# Altium PCB MB1297.PcbDoc (part 4 of 4)
Units mm, origin at the board's own origin, x right, y up, seen from the top; angles counter-clockwise.
Board outline 90.1 x 62.11 mm, 4 copper layers (Top Layer, GND, POWER+GND, Bottom Layer), stack 0.778 mm thick; 235 components, 175 nets, 1727 pads, 1 vias.
Unrouted connection lines stored in the file: 1.
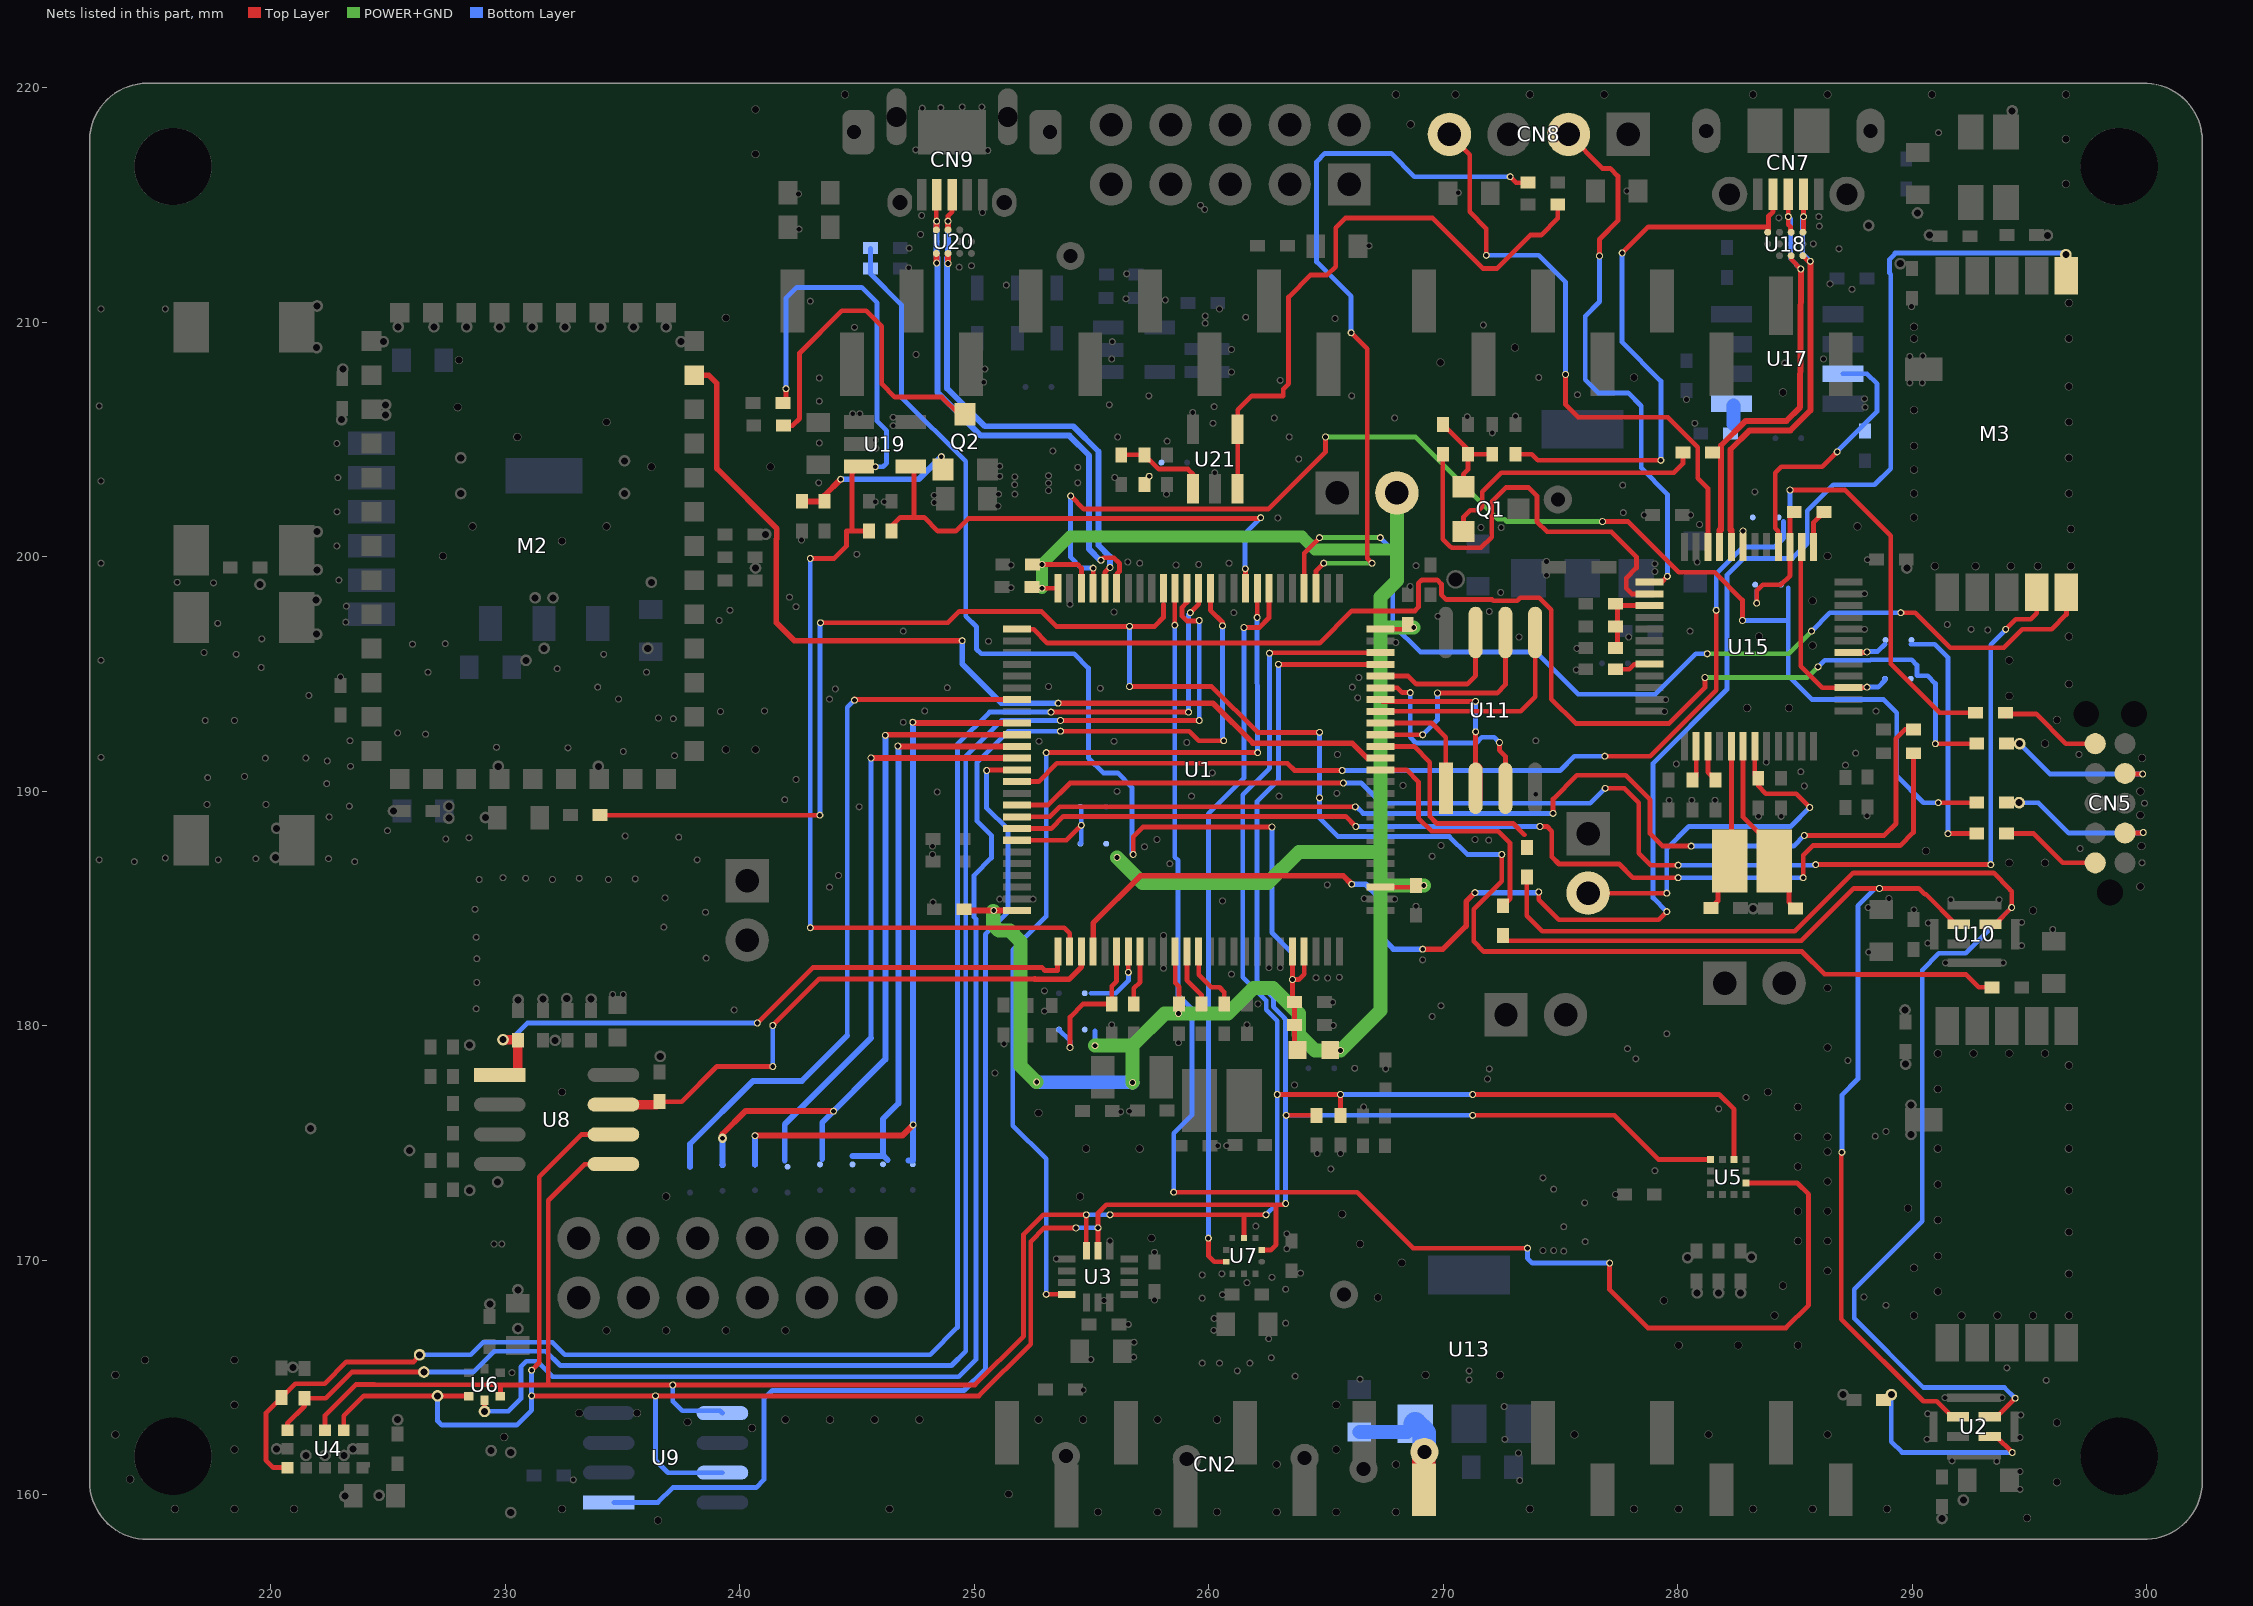
[diagram p6: the nets of this part, all layers, seen from the top]

## Via types
v1: diameter 0.4, hole 0.2, Top Layer to Bottom Layer, tented both sides, 1 vias

## Nets (pads, with @x,y where several pads share a name; then routed paths per layer and width w, separated by ;. In a path a pad name is that pad's centre, name@x,y a point inside that pad or via, vN(x,y) a via of type N, cw(c..) or ccw(c..) an arc to the next point about the centre after c; other vN are vias at no path point) (continued)
NetM2_34: M2.34 pad.33@249.479,196.418 pad.93@253.568,193.751 U1.39 | length 41.1
  Top Layer w0.24: M2.34@238.045,207.742 238.663,207.742 239.014,207.391 239.014,203.759 241.569,201.204 241.569,200.757 241.554,200.742 241.554,197.18 242.316,196.418 pad.33@249.479,196.418 ; pad.93@253.568,193.751 260.172,193.751 261.874,192.049 266.106,192.049 266.749,191.406 U1.39@267.313,191.406
  Bottom Layer w0.24: pad.33@249.479,196.418 249.479,195.422 251.15,193.751 pad.93@253.568,193.751
NetM3_1: M3.1 pad.46@279.527,184.861 pad.47@271.348,185.674 pad.49@274.066,185.699 pad.86@266.09,186.03 pad.91@269.113,183.261 pad.108@296.545,212.877 U1.4 | length 73.4
  Top Layer w0.204: pad.49@274.066,185.699 274.066,185.369 274.916,184.52 279.185,184.52 pad.46@279.527,184.861
  Top Layer w0.24: U1.4@255.063,183.156 255.063,184.374 257.073,186.385 265.735,186.385 pad.86@266.09,186.03 ; pad.91@269.113,183.261 269.977,183.261 270.967,184.252 270.967,185.293 pad.47@271.348,185.674
  Bottom Layer w0.204: pad.46@279.527,184.861 278.943,185.445 278.943,191.186 282.093,194.336 282.093,199.213 282.804,199.923 284.886,199.923 285.521,200.558 285.521,201.955 286.633,203.067 288.385,203.067 289.077,203.759 289.077,212.039 289.03,212.086 289.03,212.684 289.252,212.907 289.252,212.95 296.472,212.95 pad.108@296.545,212.877
  Bottom Layer w0.24: pad.86@266.09,186.03 266.689,186.03 267.185,185.534 267.185,183.944 267.868,183.261 pad.91@269.113,183.261 ; pad.47@271.348,185.674 274.041,185.674 pad.49@274.066,185.699
NetM3_10: M3.10 pad.23@293.98,196.901 pad.28@276.901,190.121 pad.29@280.01,186.842 pad.31@293.345,186.868 pad.32@285.877,186.868 pad.135@265.735,190.348 U1.91 | length 57.9
  Top Layer w0.204: U1.91@251.813,189.406 253.135,189.406 254.076,190.348 pad.135@265.735,190.348 ; pad.28@276.901,190.121 277.722,190.121 278.333,189.509 278.333,187.35 278.841,186.842 pad.29@280.01,186.842 ; pad.32@285.877,186.868 pad.31@293.345,186.868 ; pad.23@293.98,196.901 294.411,197.333 295.046,197.333 295.3,197.587 M3.10@295.3,198.488
  Bottom Layer w0.204: pad.135@265.735,190.348 266.497,190.348 267.36,189.484 276.265,189.484 pad.28@276.901,190.121 ; pad.29@280.01,186.842 pad.32@285.852,186.842 ; pad.31@293.345,186.868 293.345,196.24 293.98,196.875 pad.23@293.98,196.901
NetM3_11: M3.11 pad.50@264.719,200.812 pad.244 pad.245 pad.246 pad.247 U1.54 | length 42.5
  Top Layer w0.204: U1.54@264.063,198.656 264.063,200.156 pad.50@264.719,200.812 ; pad.245@289.509,197.612 290.119,197.612 291.617,196.113 293.903,196.113 294.691,196.901 295.935,196.901 296.57,197.536 M3.11@296.57,198.488
  POWER+GND w0.204: pad.50@264.719,200.812 pad.244@267.31,200.812 ; pad.247@281.254,195.859 284.734,195.859 pad.246@285.699,196.825
  Bottom Layer w0.204: pad.244@267.31,200.812 267.843,200.279 267.843,197.104 269.011,195.936 273.939,195.936 275.742,194.132 279.044,194.132 280.772,195.859 pad.247@281.254,195.859 ; pad.246@285.699,196.825 286.487,197.612 pad.245@289.509,197.612
NetQ1_1: Q1.1 R45.2 R46.2 R48.2 | length 4.2
  Top Layer w0.204: R45.2@269.977,205.638 271.043,204.572 R46.2@271.043,204.368 ; Q1.1@270.852,202.982 270.852,203.517 271.043,203.708 R46.2@271.043,204.368 ; R48.2@272.085,204.368 R46.2@271.043,204.368
NetQ1_2: Q1.2 R50.1 | length 11.8
  Top Layer w0.204: Q1.2@270.852,201.082 270.852,201.688 271.145,201.981 271.501,201.981 271.653,202.133 271.653,202.768 272.466,203.581 279.832,203.581 280.213,203.962 R50.1@280.213,204.445
NetQ2_1: pad.145@244.297,203.302 pad.146@248.59,204.267 Q2.1 R57.2 R59.2 | length 6.9
  Top Layer w0.254: R59.2@242.646,202.362 R57.2@243.606,202.362 243.606,202.611 pad.145@244.297,203.302
  Bottom Layer w0.254: pad.145@244.297,203.302 247.625,203.302 pad.146@248.59,204.267
NetQ2_3: Q2.3 R55.1 | length 14.7
  Top Layer w0.204: R55.1@241.859,205.588 242.24,205.588 242.545,205.892 242.545,208.686 244.348,210.49 245.389,210.49 246.05,209.829 246.05,207.366 246.609,206.807 248.615,206.807 249.352,206.07 Q2.3@249.606,206.07
NetR1_2: pad.32@229.895,179.4 pad.58@240.741,180.111 R1.2 U1.1 U8.1 | length 28.7
  Top Layer w0.204: pad.58@240.741,180.111 243.103,182.474 252.882,182.474 253.009,182.347 253.543,182.347 253.543,183.137 U1.1@253.563,183.156
  Top Layer w0.4: U8.1@229.756,177.902 230.556,177.902 230.53,177.927 R1.2@230.53,179.375 230.505,179.4 pad.32@229.895,179.4
  Bottom Layer w0.204: 230.226,179.4 230.937,180.111 pad.58@240.741,180.111
  Bottom Layer w0.24: pad.32@229.895,179.4 230.226,179.4
NetR4_2: pad.59@241.402,180.01 pad.60@241.402,178.257 R4.2 U1.3 U8.7 | length 24.1
  Top Layer w0.204: R4.2@236.576,176.759 237.515,176.759 239.014,178.257 pad.60@241.402,178.257 ; pad.59@241.402,180.01 243.383,181.991 252.576,181.991
  Top Layer w0.24: 252.576,181.991 252.594,181.974 254.033,181.974 254.563,182.503 U1.3@254.563,183.156
  Top Layer w0.4: U8.7@234.606,176.632 236.449,176.632 R4.2@236.576,176.759
  Bottom Layer w0.204: pad.60@241.402,178.257 pad.59@241.402,180.01
NetR5_1: R5.1 U1.12 | length 2.5
  Top Layer w0.204: U1.12@259.063,183.156 259.063,181.932 259.69,181.305 R5.1@259.69,180.924
NetR6_1: pad.165 pad.166 R6.1 U2.3 U10.3 | length 56.5
  Top Layer w0.2: R6.1@273.558,186.334 273.558,184.683 274.218,184.023 284.988,184.023 287.477,186.512 293.472,186.512 294.157,185.826 294.157,185.801 294.234,185.725 pad.166@294.234,185.039 293.526,184.331 U10.3@293.334,184.331 ; U2.3@293.3,163.327 293.604,163.327 pad.165@294.386,164.109
  Bottom Layer w0.2: pad.166@294.234,185.039 292.278,183.083 291.135,183.083 290.424,182.372 290.424,171.653 287.528,168.758 287.528,167.513 290.474,164.567 293.929,164.567 pad.165@294.386,164.109
NetR6_2: R6.2 U1.40 | length 9.1
  Top Layer w0.204: U1.40@267.313,191.906 268.748,191.906 269.418,191.237 269.418,188.925 269.723,188.62 272.974,188.62 273.456,188.138
NetR7_1: R7.1 U1.13 | length 2.9
  Top Layer w0.204: U1.13@259.563,183.156 259.563,182.169 260.096,181.635 260.452,181.635 260.655,181.432 R7.1@260.655,180.924
NetR10_2: pad.3@236.398,164.211 pad.9@262.966,195.406 pad.11@263.271,172.415 pad.14@227.101,164.211 pad.15@231.115,164.211 pad.16@231.115,165.303 pad.17@255.27,171.378 pad.18@254.33,171.374 pad.20@263.296,176.174 pad.151 R10.2 U1.47 U3.13 U4.10 U5.1 U6.2 U7.2 U8.6 U9.7 | length 121.5
  Top Layer w0.204: U4.10@223.101,162.75 223.101,163.36 223.952,164.211 pad.14@227.101,164.211 228.416,164.211 U6.2@228.433,164.194 ; pad.15@231.115,164.211 pad.3@236.398,164.211 250.19,164.211 252.401,166.422 252.401,170.791 252.984,171.374 pad.18@254.33,171.374 ; pad.16@231.115,165.303 231.445,165.633 231.445,173.558 233.248,175.362 U8.6@234.606,175.362 ; U3.13@255.27,170.391 pad.17@255.27,171.378 255.27,172.009 255.626,172.364 262.763,172.364 ; U7.2@262.256,170.43 262.632,170.43 262.865,170.663 262.865,172.364 pad.11@263.22,172.364 ; pad.9@262.966,195.406 U1.47@267.313,195.406 ; pad.20@263.296,176.174 R10.2@264.592,176.174 ; pad.151@271.247,176.174 277.292,176.174 279.171,174.295 U5.1@281.397,174.295
  Bottom Layer w0.204: pad.14@227.101,164.211 227.101,163.144 227.279,162.966 230.48,162.966 231.115,163.601 pad.15@231.115,164.211 pad.16@231.115,165.303 ; pad.3@236.398,164.211 236.398,161.468 236.931,160.934 U9.7@239.255,160.934 ; pad.18@254.334,171.378 pad.17@255.27,171.378 ; pad.9@262.966,195.406 262.966,190.475 262.052,189.56 262.052,181.896 262.75,181.198 262.75,180.808 263.22,180.338 263.22,180.309 263.268,180.261 pad.11@263.268,172.418 ; pad.20@263.395,176.174 pad.151@271.247,176.174
NetR11_2: pad.2@237.134,164.677 pad.8@262.585,195.885 pad.12@262.433,171.933 pad.13@255.778,171.933 pad.14@254.77,171.933 pad.19@262.914,177.063 pad.152@271.247,177.063 pad.153@265.608,177.063 R11.2 U1.48 U3.14 U4.9 U5.11 U6.4 U7.4 U8.5 U9.5 | length 117
  Top Layer w0.204: U4.9@222.301,162.75 222.301,163.373 223.622,164.694 224.409,164.694 224.415,164.688 229.794,164.688 229.783,164.677 ; U6.4@229.783,164.194 229.783,164.677 ; U8.5@234.606,174.092 233.375,174.092 231.826,172.542 231.826,164.677 ; U3.14@254.77,170.391 pad.14@254.77,171.933 252.933,171.933 252.095,171.094 252.095,166.751 250.021,164.677 pad.2@237.134,164.677 231.826,164.677 ; pad.13@255.778,171.933 261.493,171.933 ; U7.4@261.493,170.943 261.493,171.933 ; pad.12@262.433,171.933 261.493,171.933 ; pad.8@262.585,195.885 262.607,195.906 U1.48@267.313,195.906 ; pad.19@262.914,177.063 pad.153@265.608,177.063 R11.2@265.608,176.174 ; pad.152@271.247,177.063 281.762,177.063 282.397,176.428 U5.11@282.397,174.295 ; 229.783,164.677 231.826,164.677
  Bottom Layer w0.204: pad.2@237.134,164.677 237.134,163.975 237.535,163.574 239.155,163.574 U9.5@239.255,163.474 ; pad.14@254.77,171.933 pad.13@255.778,171.933 ; pad.12@262.433,171.933 262.914,172.414 262.914,180.212 262.444,180.682 262.444,181.071 261.442,182.073 261.442,189.84 262.585,190.983 pad.8@262.585,195.885 ; pad.153@265.608,177.063 pad.152@271.247,177.063
NetR12_1: R12.1 U1.8 | length 2.3
  Top Layer w0.204: R12.1@256.794,180.924 256.794,181.585 257.063,181.853 U1.8@257.063,183.156
NetR13_1: pad.167 pad.168 R13.1 U2.4 U10.4 | length 46.9
  Top Layer w0.2: 290.271,185.852 290.525,185.598 290.582,185.598 291.848,184.331 U10.4@291.984,184.331
  Top Layer w0.204: R13.1@272.542,183.845 272.771,183.617 285.267,183.617 287.503,185.852 pad.168@288.595,185.852 290.271,185.852 ; pad.167@286.995,174.6 286.969,174.574 286.969,167.488 290.474,163.982 291.041,163.982 291.696,163.327 U2.4@291.95,163.327
  Bottom Layer w0.204: pad.167@286.995,174.6 286.995,177.038 287.68,177.724 287.68,185.108 288.424,185.852 pad.168@288.595,185.852
NetR13_2: R13.2 U1.38 | length 10.5
  Top Layer w0.204: U1.38@267.313,190.906 268.427,190.906 268.935,190.398 268.935,188.849 269.494,188.29 272.339,188.29 272.845,187.784 272.845,185.418 R13.2@272.542,185.115
NetR14_2: pad.17@226.517,165.227 pad.25@259.588,197.282 pad.28@253.67,193.015 pad.29@259.588,193.015 R14.2 U1.64 U4.7 | length 73.5
  Top Layer w0.204: U4.7@220.701,162.75 220.701,163.043 221.437,163.779 R14.2@221.437,164.109 222.326,164.109 223.444,165.227 pad.17@226.517,165.227 ; pad.28@253.67,193.015 pad.29@259.588,193.015 ; U1.64@259.063,198.656 259.063,198.052 258.853,197.842 258.853,197.465 259.06,197.258 259.564,197.258 pad.25@259.588,197.282
  Bottom Layer w0.204: pad.17@226.517,165.227 228.625,165.227 229.514,166.116 231.724,166.116 232.334,165.506 249.022,165.506 249.633,166.118 249.633,191.492 251.155,193.015 pad.28@253.67,193.015 ; pad.29@259.588,193.015 pad.25@259.588,197.282
NetR15_2: pad.18@226.339,165.964 pad.26@259.207,197.612 pad.27@253.263,193.37 pad.30@259.131,193.37 R15.2 U1.63 U4.5 | length 75.3
  Top Layer w0.204: U4.5@220.701,161.15 220.104,161.15 219.786,161.468 219.786,163.474 R15.2@220.447,164.135 221.043,164.732 222.288,164.732 223.215,165.659 226.085,165.659 pad.18@226.339,165.964 ; pad.27@253.263,193.37 pad.30@259.131,193.37 ; pad.26@259.207,197.612 259.563,197.968 U1.63@259.563,198.656
  Bottom Layer w0.204: pad.18@226.339,165.964 228.511,165.964 229.044,166.497 232.004,166.497 232.537,165.964 248.107,165.964 249.276,167.132 249.276,191.999 250.647,193.37 pad.27@253.263,193.37 ; pad.30@259.131,193.37 259.131,197.536 pad.26@259.207,197.612
NetR16_1: pad.172 R16.1 SB1.2
NetR16_2: R16.2 R38.2 U21.1 | length 4
  Top Layer w0.204: R38.2@256.261,204.343 R16.2@257.251,204.343 257.861,203.733 259.105,203.733 259.321,203.517 U21.1@259.321,202.895
NetR18_1: R18.1 U21.3 U21.4 | length 26.1
  Top Layer w0.204: U21.3@261.226,202.895 U21.4@261.226,205.435 261.226,206.261 261.823,206.858 263.169,206.858 263.169,207.148 263.395,207.373 263.395,211.071 264.338,212.014 265.049,212.014 265.405,212.369 265.405,214.02 265.829,214.445 269.53,214.445 271.682,212.293 272.288,212.293 273.71,213.716 274.168,213.716 274.879,214.427 R18.1@274.879,215.011
NetR20_1: pad.51@264.897,199.72 pad.76@266.954,199.72 pad.77@272.847,216.205 pad.81@266.065,209.55 R20.1 U1.53 | length 31
  Top Layer w0.204: U1.53@264.563,198.656 264.563,199.386 pad.51@264.897,199.72 ; pad.81@266.065,209.55 266.751,208.864 266.751,199.923 pad.76@266.954,199.72 ; pad.77@272.847,216.205 273.101,215.951 R20.1@273.609,215.951
  POWER+GND w0.204: pad.51@264.897,199.72 pad.76@266.954,199.72
  Bottom Layer w0.204: pad.81@266.065,209.55 266.065,211.099 264.592,212.573 264.592,216.84 264.947,217.195 267.767,217.195 268.757,216.205 pad.77@272.847,216.205
NetR21_1: pad.53@272.491,187.3 pad.106@243.408,188.976 pad.107@243.434,197.18 pad.184 pad.186 pad.187 pad.193 R21.1 R22.1 U1.66 | length 84
  Top Layer w0.204: R21.1@234.036,188.976 pad.106@243.408,188.976 ; pad.107@243.434,197.18 248.868,197.18 249.352,197.664 252.857,197.664 253.493,197.028 pad.184@256.616,197.028 257.683,197.028 258.063,197.407 258.063,197.968 ; pad.193@256.616,194.462 260.121,194.462 262.077,192.507 pad.187@264.719,192.507 ; pad.53@272.491,187.3 272.491,186.157 271.297,184.963 271.297,183.591 271.729,183.159 285.293,183.159 286.258,182.194 287.604,182.194 287.619,182.179 292.293,182.179 292.837,181.635 R22.1@293.395,181.635
  Bottom Layer w0.204: pad.106@243.408,188.976 pad.107@243.408,197.155 ; pad.193@256.616,194.462 pad.184@256.616,197.028 ; pad.187@264.719,192.507 pad.186@264.719,189.713 264.719,188.849 265.506,188.062 270.256,188.062 271.018,187.3 pad.53@272.491,187.3
NetR29_1: R29.1 U15.44 | length 1.5
  Top Layer w0.204: R29.1@277.343,195.199 277.927,195.199 278.142,195.414 U15.44@278.782,195.414
NetR31_1: R31.1 U15.2 | length 1.3
  Top Layer w0.204: R31.1@280.782,190.663 U15.2@280.782,191.914
NetR32_2: pad.75@290.982,192.024 pad.239 pad.241 R32.2 SB6.1 U1.76 | length 52.7
  Top Layer w0.204: U1.76@251.813,196.906 252.521,196.906 253.111,196.317 264.718,196.317 266.09,197.688 268.783,197.688 268.936,197.841 268.936,198.857 269.088,199.009 269.739,199.009 269.917,198.831 269.917,198.384 270.13,198.171 272.085,198.171 272.134,198.122 273.153,198.122 273.279,198.247 274.091,198.247 274.599,197.739 274.599,193.929 275.641,192.888 279.629,192.888 281.153,194.412 pad.239@281.153,194.843 ; pad.75@290.982,192.024 R32.2@292.748,192.024
  POWER+GND w0.204: pad.239@281.153,194.843 285.521,194.843 pad.241@285.979,195.301
  Bottom Layer w0.204: pad.241@285.979,195.301 286.26,195.582 288.208,195.582 288.232,195.605 289.966,195.605 290.195,195.377 290.195,194.92 290.652,194.92 290.982,194.589 pad.75@290.982,192.024
NetR33_2: pad.74@291.109,189.509 pad.99@255.063,199.513 pad.212 pad.213 pad.215 pad.216 R33.2 SB5.1 U1.72 | length 56.5
  Top Layer w0.204: pad.212@254.102,202.59 254.66,202.032 254.659,202.03 262.533,202.03 264.973,204.47 pad.213@264.973,205.105 ; U1.72@255.063,198.656 pad.99@255.063,199.513 ; pad.215@276.784,201.498 277.876,201.498 280.035,199.339 281.563,199.339 282.753,198.15 pad.216@282.753,197.282 ; pad.74@291.109,189.509 R33.2@292.748,189.509
  POWER+GND w0.204: pad.213@264.973,205.105 268.808,205.105 272.315,201.598 272.612,201.598 272.712,201.498 pad.215@276.784,201.498 pad.215@276.809,201.524
  Bottom Layer w0.204: pad.212@254.102,202.59 254.102,199.974 254.563,199.513 pad.99@255.063,199.513 ; pad.216@282.753,197.282 284.709,197.282 ; 284.709,198.679 284.709,197.282 ; pad.74@291.109,189.509 290.474,189.509 289.331,190.652 289.331,193.345 288.773,193.904 285.725,193.904 284.709,194.92 284.709,197.282
NetR34_2: pad.72@291.516,188.189 R34.2 SB8.1 | length 10.6
  Top Layer w0.204: pad.72@291.516,188.189 R34.2@292.748,188.189
  Bottom Layer w0.204: 289.933,196.266 290.957,196.266 291.516,195.707 291.516,188.443 pad.72@291.516,188.189
NetR35_2: pad.14@284.782,202.842 pad.43@276.885,191.491 pad.45@281.635,197.714 pad.136@265.684,190.881 R35.2 SB7.1 U1.89 | length 57
  Top Layer w0.204: U1.89@251.813,190.406 252.738,190.406 253.517,191.186 263.347,191.186 263.652,190.881 pad.136@265.684,190.881 ; pad.43@276.885,191.491 278.816,191.491 281.635,194.31 pad.45@281.635,197.714 ; pad.14@284.785,202.844 287.122,202.844 289.077,200.889 289.077,195.428 291.16,193.345 R35.2@292.697,193.345
  Bottom Layer w0.204: pad.136@265.684,190.881 274.98,190.881 275.59,191.491 pad.43@276.885,191.491 ; pad.45@281.635,197.714 281.635,199.267 282.782,200.414 284.133,200.414 284.505,200.787 284.505,201.498 ; 284.782,201.724 pad.14@284.782,202.842 pad.14@284.785,202.844
NetR36_1: R36.1 U15.3 | length 1.6
  Top Layer w0.204: U15.3@281.282,191.914 281.282,190.802 R36.1@281.61,190.475
NetR42_2: pad.33@274.117,188.493 pad.36@280.01,186.309 pad.37@285.344,186.309 pad.134@266.268,188.493 R42.2 U1.93 | length 44.9
  Top Layer w0.204: U1.93@251.813,188.406 253.279,188.406 253.798,188.925 265.836,188.925 pad.134@266.268,188.493 ; pad.33@274.117,188.493 274.422,188.493 274.625,188.29 274.625,187.198 274.93,186.893 277.495,186.893 278.079,186.309 pad.36@280.01,186.309 ; pad.37@285.344,186.309 285.344,187.274 285.75,187.681 289.484,187.681 290.043,188.239 R42.2@290.043,191.618
  Bottom Layer w0.204: pad.134@266.268,188.493 pad.33@274.117,188.493 ; pad.36@280.01,186.309 pad.37@285.344,186.309
NetR43_2: pad.38@285.394,188.112 pad.39@280.568,187.655 pad.40@274.676,189.052 pad.133@266.243,189.332 R43.2 U1.92 | length 45.8
  Top Layer w0.204: U1.92@251.813,188.906 253.219,188.906 253.644,189.332 pad.133@266.243,189.332 ; pad.40@274.676,189.052 274.676,189.662 275.692,190.678 277.774,190.678 278.816,189.636 278.816,188.189 279.349,187.655 pad.39@280.568,187.655 ; pad.38@285.394,188.112 288.798,188.112 289.306,188.62 289.306,192.253 289.687,192.634 R43.2@290.043,192.634
  Bottom Layer w0.204: pad.133@266.243,189.332 266.294,189.332 266.573,189.052 pad.40@274.676,189.052 ; pad.39@280.568,187.655 284.937,187.655 pad.38@285.394,188.112
NetR53_2: R53.2 U17.5 | length 0.8
  Bottom Layer w0.6: 282.372,205.664 U17.5@282.372,206.438
NetR56_1: pad.57@243.002,184.175 pad.115@243.002,199.923 pad.121@245.77,203.835 pad.144@241.96,207.162 R56.1 R58.2 U1.2 U19.3 | length 51
  Top Layer w0.204: R56.1@241.833,206.553 241.96,206.68 pad.144@241.96,207.162 ; pad.57@243.002,184.175 253.82,184.175 254.063,183.933 U1.2@254.063,183.156 ; pad.115@243.002,199.923 244.018,199.923 244.541,200.447 244.541,201.092 R58.2@245.501,201.092 244.831,201.092 244.78,201.143 244.78,203.553 U19.3@245.077,203.85
  Bottom Layer w0.204: pad.144@241.96,207.162 241.96,211.023 242.418,211.48 245.186,211.48 245.847,210.82 245.847,205.773 246.253,205.366 246.253,203.987 246.101,203.835 pad.121@245.77,203.835 ; pad.57@243.002,184.175 pad.115@243.002,199.923
NetR62_2: pad.131@262.204,201.663 pad.132@261.553,199.482 R62.2 U1.59 U19.4 | length 22.1
  Top Layer w0.204: R62.2@246.461,201.092 246.461,201.3 246.837,201.676 247.371,201.676 ; U19.4@247.277,203.85 247.422,203.705 247.422,201.727 247.371,201.676 ; pad.132@261.544,199.492 261.563,199.473 U1.59@261.563,198.656 ; pad.131@262.204,201.676 262.153,201.625 249.741,201.625 249.208,201.092 248.437,201.092 247.853,201.676 247.371,201.676
  Bottom Layer w0.204: pad.132@261.544,199.492 261.544,200.99 262.204,201.651 pad.131@262.204,201.676
NetR67_2: pad.45@289.103,164.262 pad.94@294.259,161.798 R67.2 U2.2 | length 8.6
  Top Layer w0.204: U2.2@293.3,162.477 293.58,162.477 pad.94@294.259,161.798
  Bottom Layer w0.204: pad.45@289.103,164.262 289.103,162.255 289.56,161.798 pad.94@294.259,161.798
NetSB3_1: pad.48@256.565,182.27 SB3.1 U1.7 | length 3.1
  Top Layer w0.204: U1.7@256.563,183.156 256.563,182.273 pad.48@256.565,182.27
  Bottom Layer w0.204: 254.965,181.381 256.032,181.381 256.565,181.915 pad.48@256.565,182.27
NetSB9_2: pad.54@254.559,188.544 SB9.2 SB13.2 U1.94 | length 4.6
  Top Layer w0.204: U1.94@251.813,187.906 253.921,187.906 pad.54@254.559,188.544
  Bottom Layer w0.204: SB9.2@254.518,187.757 254.559,187.798 pad.54@254.559,188.544 254.559,189.29 SB13.2@254.518,189.332
NetSB12_2: pad.132@246.736,191.922 SB12.2 SB14.2 U1.86 | length 24.4
  Top Layer w0.254: pad.132@246.752,191.906 U1.86@251.813,191.906
  Bottom Layer w0.254: 244.802,174.432 246.141,174.432 246.304,174.269 ; 246.101,174.438 246.101,176.028 246.761,176.688 246.761,191.897 pad.132@246.736,191.922
NetSB15_2: pad.2@243.992,176.352 pad.131@246.202,192.38 SB15.2 SB16.2 U1.85 | length 31.2
  Top Layer w0.254: v1(239.257,175.198) 239.257,175.376 240.233,176.352 pad.2@243.992,176.352 ; pad.131@246.202,192.38 246.28,192.406 U1.85@251.813,192.406
  Bottom Layer w0.254: SB16.2@239.257,174.057 v1(239.257,175.198) ; 243.51,174.32 243.51,175.87 246.202,178.562 pad.131@246.202,192.38
NetSB18_2: pad.0@240.643,175.307 pad.1@247.384,175.768 pad.130@247.371,192.938 SB18.2 SB19.2 U1.84 | length 31.5
  Top Layer w0.254: pad.0@240.643,175.307 246.923,175.307 pad.1@247.384,175.768 ; pad.130@247.371,192.938 247.466,192.906 U1.84@251.813,192.906
  Bottom Layer w0.254: SB18.2@240.643,174.082 pad.0@240.643,175.307 ; 247.182,174.254 247.385,174.254 pad.1@247.384,175.768 pad.130@247.371,192.938
NetSB20_1: pad.133@245.593,191.414 SB20.1 U1.87 | length 24.9
  Top Layer w0.254: pad.133@245.593,191.414 245.661,191.406 U1.87@251.813,191.406
  Bottom Layer w0.204: 245.593,179.476 pad.133@245.593,191.414
  Bottom Layer w0.254: 241.91,174.244 241.91,175.793 245.593,179.476
NetSB21_1: pad.134@244.881,193.878 SB21.1 U1.82 | length 31
  Top Layer w0.204: pad.134@244.91,193.906 U1.82@251.813,193.906
  Top Layer w0.254: pad.134@244.881,193.878 pad.134@244.91,193.906
  Bottom Layer w0.204: 244.577,179.578 244.577,193.573 pad.134@244.881,193.878
  Bottom Layer w0.254: SB21.1@237.871,173.982 237.871,174.955 240.563,177.648 242.646,177.648 244.577,179.578
NetU1_41: pad.58@269.748,194.183 pad.59@269.113,192.405 U1.41 U11.6 | length 8.2
  Top Layer w0.204: U1.41@267.313,192.406 269.112,192.406 pad.59@269.113,192.405 ; pad.58@269.748,194.183 272.288,194.183 272.644,194.539 U11.6@272.644,195.871
  Bottom Layer w0.204: pad.59@269.113,192.405 269.748,193.04 pad.58@269.748,194.183
NetU1_42: U1.42 U11.1 | length 4.3
  Top Layer w0.204: U1.42@267.313,192.906 269.501,192.906 270.104,192.303 U11.1@270.104,191.021
NetU1_43: U1.43 U11.5 | length 8.7
  Top Layer w0.204: U1.43@267.313,193.406 273.289,193.406 273.914,194.031 U11.5@273.914,195.871
NetU1_44: pad.62@271.374,192.532 pad.63@271.372,193.829 U1.44 U11.2 | length 9.2
  Top Layer w0.204: U1.44@267.313,193.906 267.39,193.829 pad.63@271.372,193.829 ; U11.2@271.374,190.627 pad.62@271.374,192.532 ; U11.2@271.374,191.021 271.374,191.124 271.456,191.124 271.572,191.008 U11.2@271.572,189.459
  Bottom Layer w0.204: pad.63@271.372,193.829 271.372,192.534 pad.62@271.374,192.532
NetU1_45: pad.60@268.586,194.202 pad.61@272.39,192.075 U1.45 U11.3 | length 9.1
  Top Layer w0.204: U1.45@267.313,194.406 268.038,194.406 268.243,194.202 pad.60@268.586,194.202 ; pad.61@272.39,192.075 272.39,191.745 272.644,191.491 U11.3@272.644,190.449
  Bottom Layer w0.204: pad.60@268.586,194.202 268.586,192.297 268.832,192.051 271.393,192.051 271.639,192.297 272.168,192.297 pad.61@272.39,192.075
NetU1_46: U1.46 U11.7 | length 5.3
  Top Layer w0.204: U1.46@267.313,194.906 268.503,194.906 268.845,194.564 271.018,194.564 271.374,194.92 U11.7@271.374,195.871
NetU1_57: pad.39@259.977,170.934 pad.40@261.493,196.977 U1.57 U7.7 | length 30.8
  Top Layer w0.204: pad.39@259.977,170.934 259.977,170.18 260.227,169.93 U7.7@260.73,169.93 ; pad.40@261.493,196.977 262.153,196.977 262.563,197.386 U1.57@262.563,198.656
  Bottom Layer w0.204: pad.39@259.977,170.934 259.977,189.036 261.493,190.552 pad.40@261.493,196.977
NetU1_58: pad.23@253.06,168.541 pad.24@262.056,197.409 pad.31@262.077,191.643 pad.32@253.06,191.643 U1.58 U3.4 | length 41.1
  Top Layer w0.204: pad.23@253.06,168.541 U3.4@253.94,168.541 ; pad.32@253.06,191.643 pad.31@262.077,191.643 ; pad.24@262.056,197.409 262.063,197.674 U1.58@262.063,198.656
  Bottom Layer w0.204: pad.23@253.06,168.541 253.06,174.316 251.638,175.739 251.638,183.236 253.06,184.658 pad.32@253.06,191.643 ; pad.24@262.056,197.409 pad.31@262.077,191.694
NetU1_62: pad.15@229.108,163.551 pad.35@253.67,192.557 pad.36@260.579,197.053 pad.37@260.629,192.151 U1.62 U6.3 | length 67.7
  Top Layer w0.204: pad.15@229.108,163.551 U6.3@229.108,164.019 ; pad.35@253.67,192.557 259.156,192.557 259.563,192.151 pad.37@260.629,192.151 ; U1.62@260.063,198.656 260.063,197.722 260.579,197.206 pad.36@260.579,197.053
  Bottom Layer w0.204: pad.15@229.108,163.551 230.124,163.551 230.657,164.084 230.657,165.454 230.886,165.683 231.351,165.683 232.01,165.024 236.981,165.024 236.988,165.031 237.281,165.031 237.288,165.024 249.326,165.024 250.063,165.76 250.063,184.563 249.987,184.639 249.987,186.418 250.723,187.155 250.723,188.112 250.114,188.722 250.114,191.237 251.435,192.557 pad.35@253.67,192.557 ; pad.37@260.579,192.202 pad.36@260.579,197.053
NetU1_65: pad.155@258.547,197.079 pad.156@258.496,172.898 pad.157 pad.159 U1.65 U5.8 | length 64.8
  Top Layer w0.204: pad.156@258.496,172.898 266.319,172.898 268.707,170.51 pad.157@273.583,170.51 ; pad.155@258.547,197.079 258.547,198.641 U1.65@258.563,198.656 ; pad.159@277.089,169.875 277.089,168.732 278.714,167.107 284.607,167.107 285.572,168.072 285.572,172.803 285.08,173.295 U5.8@282.897,173.295
  Bottom Layer w0.204: pad.156@258.496,172.898 258.496,175.412 259.283,176.2 259.283,180.696 258.684,181.295 258.684,187.053 258.547,187.191 pad.155@258.547,197.079 ; pad.157@273.583,170.51 273.583,170.078 273.787,169.875 pad.159@277.089,169.875
NetU1_88: pad.156@250.52,190.881 U1.88 U9.1 | length 47.8
  Top Layer w0.204: pad.156@250.52,190.881 250.546,190.906 U1.88@251.813,190.906
  Bottom Layer w0.204: U9.1@234.62,159.664 236.499,159.664 237.134,160.299 240.69,160.299 241.021,160.63 241.021,164.084 241.376,164.44 249.555,164.44 250.469,165.354 250.469,183.898 251.433,184.861 251.433,188.368 250.52,189.281 pad.156@250.52,190.881
OSC_IN: C52.2 U15.5 X3.2 | length 7.3
  Top Layer w0.204: C52.2@281.407,185.014 281.711,185.318 281.711,186.522 X3.2@282.209,187.02 282.282,187.093 U15.5@282.282,191.914
OSC_OUT: C51.2 U15.6 X3.1 | length 7.9
  Top Layer w0.204: U15.6@282.782,191.914 282.782,188.896 284.109,187.569 X3.1@284.109,187.02 284.734,186.395 284.734,185.267 C51.2@285.013,184.988
PWR_ENN: pad.20@286.791,204.47 R51.1 U15.28 U17.3 | length 11.5
  Top Layer w0.204: U15.28@284.282,200.414 284.282,201.088 284.15,201.22 284.15,203.581 284.404,203.835 286.156,203.835 pad.20@286.791,204.47
  Bottom Layer w0.204: pad.20@286.779,204.483 288.493,206.197 288.493,207.366 288.061,207.797 U17.3@287.033,207.797
PWR_EXT: R27.1 R28.2 R30.2 U15.39 | length 3.2
  Top Layer w0.204: R27.1@277.343,196.113 277.421,196.192 277.421,197.914 U15.39@278.782,197.914
STM_JTCK: CN8.2 pad.70@276.657,212.827 pad.71@279.552,199.164 U15.37 | length 23.6
  Top Layer w0.204: CN8.2@275.336,218.008 276.784,216.56 277.114,216.56 277.444,216.23 277.444,214.325 276.657,213.538 pad.70@276.657,212.827 ; U15.37@278.782,198.914 279.302,198.914 pad.71@279.552,199.164
  Bottom Layer w0.204: pad.70@276.657,212.827 276.657,210.871 276.047,210.261 276.047,207.543 276.606,206.985 277.876,206.985 278.435,206.426 278.435,203.784 279.552,202.667 pad.71@279.552,199.164
STM_JTMS: CN8.4 pad.68@275.209,207.772 pad.69@271.831,212.852 U15.34 | length 25.7
  Top Layer w0.204: CN8.4@270.256,218.008 271.12,217.145 271.12,214.706 271.831,213.995 pad.69@271.831,212.852 ; pad.68@275.209,207.772 275.209,206.477 275.742,205.943 279.574,205.943 280.848,204.67 280.848,203.352 281.282,202.918 U15.34@281.282,200.414
  Bottom Layer w0.204: pad.69@271.831,212.852 274.066,212.852 275.209,211.709 pad.68@275.209,207.772
STM_RST: C54.1 JP8.2 pad.34@279.527,185.649 pad.35@285.623,189.306 U15.7 | length 16.4
  Top Layer w0.204: JP8.2@276.174,185.649 pad.34@279.527,185.649 ; U15.7@283.282,191.914 283.282,190.695 C54.1@283.426,190.551 283.426,190.221 283.756,189.89 285.039,189.89 pad.35@285.623,189.306
  Bottom Layer w0.204: pad.34@279.527,185.649 279.527,187.554 280.467,188.493 284.81,188.493 pad.35@285.623,189.306
T_JTCK: pad.71@288.061,194.437 SB6.2 U15.15 U15.26 | length 9.3
  Top Layer w0.204: U15.26@285.282,200.414 285.242,200.374 285.242,195.326 286.154,194.414 U15.15@287.282,194.414 288.039,194.414 pad.71@288.061,194.437
  Bottom Layer w0.204: pad.71@288.061,194.437 288.544,194.437 288.833,194.726 SB6.2@288.833,194.793
T_JTMS: pad.50@283.362,198.018 R39.2 SB5.2 U15.27 | length 5.5
  Top Layer w0.204: pad.50@283.362,198.018 283.362,198.552 283.616,198.806 284.396,198.806 284.782,199.192 U15.27@284.782,200.414 284.782,201.724 R39.2@284.963,201.905
  Bottom Layer w0.204: pad.50@283.362,198.018 283.362,198.552
T_NRST: pad.70@288.061,195.936 SB8.2 U15.18 | length 1.7
  Top Layer w0.204: U15.18@287.282,195.914 pad.70@288.04,195.914
  Bottom Layer w0.204: pad.70@288.061,195.936 288.087,195.961 288.528,195.961 288.833,196.266
T_SWDIO_IN: R39.1 U15.25 | length 1.7
  Top Layer w0.204: U15.25@285.782,200.414 285.782,201.454 R39.1@286.233,201.905
T_SWO: pad.13@282.778,201.092 SB7.2 U15.31
TAG_NRST: CN5.10 R34.1 | length 4.3
  Top Layer w0.204: R34.1@294.018,188.189 295.173,188.189 296.418,186.944 297.078,186.944 CN5.10@297.798,186.944
TAG_SWCLK: CN5.4 pad.0@299.822,190.729 pad.50@294.577,192.024 R32.1 | length 7.1
  Top Layer w0.204: R32.1@294.018,192.024 pad.50@294.577,192.024 ; CN5.4@299.068,190.754 299.093,190.729 pad.0@299.822,190.729
  Bottom Layer w0.204: pad.50@294.577,192.024 295.872,190.729 pad.0@299.822,190.729
TAG_SWDIO: CN5.2 pad.1@299.847,188.239 pad.51@294.551,189.509 R33.1 | length 7.2
  Top Layer w0.204: R33.1@294.018,189.509 pad.51@294.551,189.509 ; CN5.2@299.068,188.214 299.822,188.214 pad.1@299.847,188.239
  Bottom Layer w0.204: pad.51@294.551,189.509 295.377,189.509 296.672,188.214 299.822,188.214 pad.1@299.847,188.239
TAG_SWO: CN5.6 R35.1 | length 4.6
  Top Layer w0.204: R35.1@293.967,193.345 294.018,193.294 R35.1@294.094,193.294 ; R35.1@293.992,193.192 R35.1@294.094,193.294 ; R35.1@294.119,193.319 R35.1@294.094,193.294 ; CN5.6@297.798,192.024 296.545,192.024 295.275,193.294 R35.1@294.094,193.294
USB_N: CN9.2 pad.1@248.387,214.308 pad.2@248.387,212.522 pad.9@255.397,199.847 U1.70 U20.D1 U20.D3 | length 22.9
  Top Layer w0.204: pad.1@248.373,214.216 248.373,214.249 248.373,215.409 CN9.2@248.397,215.433 ; pad.9@255.397,199.847 255.5,199.95 255.947,199.95 256.186,199.711 256.186,199.373 256.079,199.267
  Top Layer w0.254: U20.D3@248.373,212.936 248.373,212.535 pad.2@248.387,212.522 ; U20.D1@248.373,213.936 pad.1@248.373,214.216
  Bottom Layer w0.254: pad.1@248.387,214.308 248.387,212.801 248.426,212.762 248.426,207.009 250.277,205.158 254.048,205.158 254.889,204.318 254.889,200.32 pad.9@255.372,199.837
USB_P: CN9.3 pad.6@248.869,214.308 pad.7@248.873,212.5 pad.10@255.778,199.542 U1.71 U20.C1 U20.C3 | length 22.9
  Top Layer w0.204: pad.6@248.873,214.216 248.873,214.253 248.873,214.532 249.047,214.706 CN9.3@249.047,215.433 ; U1.71@255.563,198.656 255.563,199.327 pad.10@255.778,199.542
  Top Layer w0.254: pad.7@248.869,212.496 pad.7@248.873,212.5 U20.C3@248.873,212.936 ; U20.C1@248.873,213.936 pad.6@248.873,214.216
  Bottom Layer w0.254: pad.6@248.869,214.308 248.869,212.776 248.83,212.736 248.83,207.176 250.444,205.562 254.216,205.562 255.293,204.485 255.293,200.487 255.776,200.004 255.776,199.544 pad.10@255.778,199.542
USB_RENUMN: R45.1 U15.38 | length 18.4
  Top Layer w0.204: R45.1@269.977,204.368 269.977,200.744 270.293,200.428 270.312,200.428 270.359,200.381 271.602,200.381 272.059,200.838 272.059,202.336 272.669,202.946 273.634,202.946 273.99,202.59 273.99,201.498 274.422,201.066 277.165,201.066 278.232,200 278.232,199.522 277.8,199.09 277.8,198.653 278.039,198.414 U15.38@278.782,198.414
USB_STLK_ID: CN7.4 pad.85@277.622,212.954 pad.86@279.274,204.11 R54.1 U18.A3 | length 24.4
  Top Layer w0.204: R54.1@273.075,204.368 273.761,204.368 274.019,204.11 pad.86@279.274,204.11 ; pad.85@277.622,212.954 278.732,214.063 283.832,214.063 U18.A3@283.832,213.835 283.87,213.873 283.87,214.528 284.059,214.717 CN7.4@284.059,215.458
  Bottom Layer w0.204: pad.85@277.622,212.954 277.622,209.144 279.274,207.491 pad.86@279.274,204.11
USB_STLK_N: CN7.2 pad.12@285.359,214.503 pad.14@285.648,212.598 U15.32 U18.D1 U18.D3 | length 18.6
  Top Layer w0.204: U18.D1@285.332,212.835 285.568,212.598 pad.14@285.648,212.598 ; U18.D3@285.359,213.944 pad.12@285.359,214.503 CN7.2@285.359,215.458
  Top Layer w0.254: U15.32@282.282,200.414 282.282,201.143 282.245,201.143 282.245,204.572 283.06,205.387 284.8,205.387 285.648,206.235 pad.14@285.648,212.598
  Bottom Layer w0.204: pad.12@285.359,214.503 285.318,214.463 285.318,212.928 pad.14@285.648,212.598
USB_STLK_P: CN7.3 pad.11@284.709,214.503 pad.13@285.241,212.268 R50.2 U15.33 U18.C1 U18.C3 | length 19.2
  Top Layer w0.204: CN7.3@284.709,215.458 pad.11@284.709,214.503 284.709,214.161 284.806,214.063 U18.C3@284.806,213.86 ; U18.C1@284.832,212.835 284.832,212.678 pad.13@285.241,212.268
  Top Layer w0.254: U15.33@281.782,200.414 281.782,201.143 281.841,201.143 281.841,204.739 282.893,205.791 284.632,205.791 285.217,206.375 pad.13@285.241,212.268
  Bottom Layer w0.204: pad.11@284.709,214.503 284.81,214.401 284.81,212.699 pad.13@285.241,212.268
VBAT: C8.2 pad.50@254.076,179.07 SB17.2 U1.6 | length 6.6
  Top Layer w0.204: pad.50@254.076,179.07 254.076,180.365 254.635,180.924 C8.2@255.854,180.924 255.854,181.686 256.063,181.895 U1.6@256.063,183.156
  Bottom Layer w0.204: SB17.2@253.603,179.832 254.076,179.359 pad.50@254.076,179.07
VDD_MCU: C7.1 C9.1 C10.1 C11.1 C12.1 C13.1 JP5.2 L1.1 pad.51@255.143,179.146 pad.52@258.699,180.518 pad.53@256.083,187.173 pad.64@269.164,185.979 pad.68@268.732,196.977 pad.95@256.743,177.571 pad.97@252.652,177.597 pad.117@265.608,178.943 pad.129@252.882,199.669 pad.130@252.882,198.656 pad.135@250.825,184.912 SB9.1 SB17.1 U1.11 U1.28 U1.50 U1.73 U1.75 U1.100 | length 96.6
  Top Layer w0.204: C12.1@252.451,198.704 252.498,198.656 pad.130@252.882,198.656 U1.75@253.563,198.656 ; C7.1@252.476,199.669 pad.129@252.882,199.669 254.406,199.669 254.563,199.513 U1.73@254.563,198.656 ; U1.11@258.563,183.156 258.563,181.823 258.724,181.661 C9.1@258.724,180.924 ; U1.28@267.313,185.906 268.761,185.906 C10.1@268.834,185.979 ; U1.50@267.313,196.906 268.28,196.906 C11.1@268.478,197.104
  Top Layer w0.254: C13.1@249.555,184.963 249.611,184.906 U1.100@251.813,184.906
  POWER+GND w0.5: pad.130@252.882,198.656 pad.129@252.882,199.669 254.076,200.863 263.982,200.863 263.982,200.839 264.511,200.31 268.074,200.31 268.017,200.254
  POWER+GND w0.6: pad.135@250.803,184.89 250.803,184.299 251.054,184.048 251.511,184.048 251.968,183.591 251.968,178.28 pad.97@252.652,177.597 ; pad.51@255.143,179.146 256.743,179.146 ; pad.53@256.083,187.173 257.175,186.08 262.509,186.08 263.835,187.406 267.313,187.406 ; pad.95@256.743,177.571 256.743,179.146 ; JP5.2@268.017,202.717 268.017,200.254 268.017,198.98 267.313,198.275 267.313,196.977 ; pad.68@268.732,196.977 267.313,196.977 ; pad.64@269.164,185.979 267.313,185.979 ; 256.743,179.146 258.115,180.518 pad.52@258.699,180.518 260.812,180.518 261.905,181.61 262.738,181.61 263.83,180.518 263.83,179.629 264.516,178.943 pad.117@265.608,178.943 267.313,180.648 267.313,185.979 ; 267.313,185.979 267.313,187.406 ; 267.313,187.406 267.313,196.977
  Bottom Layer w0.204: pad.51@255.143,179.146 255.143,179.781
  Bottom Layer w0.6: pad.97@252.652,177.597 pad.95@256.743,177.571
VDDA: C1.1 C5.1 C6.2 L1.2 pad.30@263.563,181.966 pad.31@262.687,188.468 pad.32@256.769,187.3 R2.2 U1.21 U1.22 | length 52.7
  Top Layer w0.204: pad.32@256.769,187.3 256.769,188.062 257.175,188.468 pad.31@262.687,188.468 ; U1.21@263.563,183.156 pad.30@263.563,181.966 ; L1.2@263.779,178.968 263.652,179.095 C5.1@263.652,180.035 C6.2@263.652,181 263.563,181.09 pad.30@263.563,181.966 ; U1.22@264.063,183.156 264.063,182.198 263.83,181.966 pad.30@263.563,181.966
  Bottom Layer w0.204: C1.1@245.567,213.157 R2.2@245.567,212.293 245.567,212.065 246.886,210.745 246.886,206.808 249.631,204.064 249.631,197.46 250.088,197.002 250.088,196.059 250.288,195.859 254.254,195.859 254.864,195.25 254.864,191.414 255.499,190.779 256.107,190.779 256.717,190.17 256.717,187.352 pad.32@256.769,187.3 ; pad.31@262.687,188.468 262.687,183.972 263.563,183.096 pad.30@263.563,181.966
VIN: C38.1 CN2.8 pad.48@269.189,161.823 U13.3 | length 5
  Top Layer w1: CN2.8@269.165,160.202 269.165,161.799 pad.48@269.189,161.823
  Bottom Layer w0.6: C38.1@266.421,162.674 U13.3@268.456,162.674
  Bottom Layer w1: U13.3@268.798,163.017 269.189,162.626 pad.48@269.189,161.823
pads on no net: CN5.7 CN5.8 CN5.9 CN5.11 CN5.12 CN5.13 CN9.11 CN9.12 CN10.9 CN10.10 JP4.7 M1.1 M1.2 M1.3 M2.18 M2.19 M2.23 M2.24 M2.25 M2.26 M2.27 M2.30 M2.31 M2.32 M3.2 M3.3 M3.4 U3.2 U3.3 U3.9 U3.10 U3.11 U4.8 U5.7 U9.3 U9.6 U9.8 U15.4 U15.11 U15.14 U15.16 U15.17 U15.19 U15.21 U15.22 U15.29 U15.40 U15.41 U15.42 U15.43 U15.45 U15.46 U18.A2 U18.B1 U18.B2 U18.C2 U20.A2 U20.B1 U20.B2 U20.C2

## Polygon pours and split planes (outlines as drawn)
GND on GND "Layer GND" (solid, remove dead copper, pour order 22): 210.414,210.871 239.878,210.871 239.878,221.844 297.104,221.844 297.104,198.704 297.104,194.559 297.231,194.559 299.578,194.559 299.598,194.559 cw(c299.598,193.726) 300.431,193.726 300.401,193.695 300.401,186.011 300.401,185.999 299.034,184.633 cw(c298.482,185.184) 298.482,184.404 297.155,184.404 297.129,184.404 297.129,177.825 297.129,157.074 297.053,157.074 284.785,157.074 284.785,176.251 279.502,176.251 279.502,170.917 284.785,170.917 284.785,157.124 211.049,157.124 211.049,166.37 228.6,166.37 228.6,170.942 231.267,170.942 231.267,180.365 228.498,180.365 228.498,185.826 228.498,185.852 210.795,185.852 210.464,185.852 210.464,210.795
GND on Top Layer "Top GND" (solid, remove dead copper, pour order 21): 210.43,210.882 239.894,210.882 239.894,221.855 297.12,221.855 297.12,198.715 297.12,194.57 297.247,194.57 299.595,194.57 299.615,194.57 cw(c299.615,193.737) 300.448,193.737 300.417,193.706 300.417,186.022 300.417,186.01 299.051,184.644 cw(c298.499,185.196) 298.499,184.415 297.171,184.415 297.146,184.415 297.146,177.837 297.146,157.085 297.07,157.085 284.801,157.085 284.801,176.262 279.518,176.262 279.518,170.928 284.801,170.928 284.801,157.136 211.065,157.136 211.065,166.381 228.617,166.381 228.617,170.953 231.284,170.953 231.284,180.377 228.515,180.377 228.515,185.838 228.515,185.863 210.811,185.863 210.481,185.863 210.481,210.806
GND on Bottom Layer "Layer GND" (solid, remove dead copper, pour order 20): 210.414,210.871 239.878,210.871 239.878,221.844 297.104,221.844 297.104,198.704 297.104,194.559 297.231,194.559 299.578,194.559 299.598,194.559 cw(c299.598,193.726) 300.431,193.726 300.401,193.695 300.401,186.011 300.401,185.999 299.034,184.633 cw(c298.482,185.184) 298.482,184.404 297.155,184.404 297.129,184.404 297.129,177.825 297.129,157.074 297.053,157.074 284.785,157.074 284.785,176.251 279.502,176.251 279.502,170.917 284.785,170.917 284.785,157.124 211.049,157.124 211.049,166.37 228.6,166.37 228.6,170.942 231.267,170.942 231.267,180.365 228.498,180.365 228.498,185.826 228.498,185.852 210.795,185.852 210.464,185.852 210.464,210.795
GND on POWER+GND "Power GND" (solid, remove dead copper, pour order 19): 210.414,210.896 239.878,210.896 239.878,221.869 297.104,221.869 297.104,198.73 297.104,194.584 297.231,194.584 299.578,194.584 299.598,194.584 cw(c299.598,193.751) 300.431,193.751 300.401,193.721 300.401,186.037 300.401,186.024 299.034,184.658 cw(c298.482,185.21) 298.482,184.429 297.155,184.429 297.129,184.429 297.129,177.851 297.129,157.099 297.053,157.099 284.785,157.099 284.785,176.276 279.502,176.276 279.502,170.942 284.785,170.942 284.785,157.15 211.049,157.15 211.049,166.395 228.6,166.395 228.6,170.967 231.267,170.967 231.267,180.391 228.498,180.391 228.498,185.852 228.498,185.877 210.795,185.877 210.464,185.877 210.464,210.82

## Keep-outs
Keep-Out Layer:
  lines w0.1: 212.315,217.727 cw(c214.73,217.727) 214.73,220.142 ; 212.319,217.955 212.319,160.552 ccw(c214.734,160.552) 214.734,158.137 ; 214.73,220.14 299.999,220.14 ; 214.734,158.14 300.001,158.14 ; 299.898,220.142 cw(c299.898,217.726) 302.313,217.726 ; 299.899,158.14 ccw(c299.899,160.555) 302.315,160.555 ; 302.319,160.555 302.319,217.955

## Other copper
Top Layer:
  text "1" at 213.081,211.658 h1
GND:
  text "2" at 214.581,211.658 h1
POWER+GND:
  text "3" at 216.481,211.658 h1
Bottom Layer:
  text "4" at 218.781,211.658 h1
Multi-Layer:
  pour cut-out: 212.581,213.008 212.581,211.008 219.331,211.008 219.331,213.008

## Silkscreen, mask and mechanical layers (free items; w line width, h text height)
Top Overlay:
  drawing of 620 lines, arcs and shapes, not listed
  text "USB STLINK" at 274.269,219.075 h0.8
  text "USB" at 241.478,218.77 h0.8
  text "OTG" at 241.478,217.678 h0.8
  text "D7" at 268.681,212.852 h0.7
  text "D6" at 271.17,212.852 h0.7
  text "D5" at 273.66,212.852 h0.7
  text "D15" at 241.478,212.446 h0.7
  text "D14" at 244.043,212.446 h0.7
  text "D13" at 251.663,212.446 h0.7
  text "D12" at 254.66,212.446 h0.7
  text "D11" at 256.845,212.446 h0.7
  text "D10" at 259.309,212.446 h0.7
  text "AVDD" at 246.202,206.502 h0.7
  text "D9" at 262.153,205.816 h0.7
  text "D8" at 264.592,205.816 h0.7
  text "D4" at 276.301,205.816 h0.7
  text "D3" at 278.867,205.816 h0.7
  text "D2" at 281.432,205.816 h0.7
  text "D1" at 284.277,205.816 h0.7
  text "D0" at 286.461,205.816 h0.7
  text "GND" at 252.552,205.105 h0.7
  text "USER" at 215.621,203.149 h1 r90
  text "RESET" at 215.519,190.779 h1 r90
  text "MB1297C" at 215.9,183.947 h1
  text "X" at 282.296,175.489 h0.51
  text "Z" at 284.201,175.489 h0.51
  text "Y" at 284.099,174.244 h0.51
  text "B-L475E-IOT01A1" at 238.785,174.092 h1.52
  text "Y" at 251.866,172.771 h0.51
  text "X" at 253.39,171.755 h0.51
  text "Z" at 251.638,170.764 h0.51
  text "PMOD" at 248.615,168.148 h1 r90
  text "IOREF" at 250.52,166.37 h0.7
  text "A0" at 273.736,164.694 h0.7
  text "A1" at 276.286,164.694 h0.7
  text "A2" at 278.836,164.694 h0.7
  text "A3" at 281.386,164.694 h0.7
  text "A4" at 283.936,164.694 h0.7
  text "A5" at 286.487,164.694 h0.7
  text "NRST" at 255.397,164.516 h0.7
  text "3V3" at 258.237,164.516 h0.7
  text "5V" at 260.67,164.516 h0.7
  text "GND" at 263.307,164.516 h0.7
  text "GND" at 265.943,164.516 h0.7
  text "VIN" at 268.58,164.516 h0.7
Bottom Overlay:
  drawing of 537 lines, arcs and shapes, not listed
  text "ST-LINK DEBUG" at 277.622,215.646 h0.7
  text "5V_ARD" at 270.328,211.006 h0.7 r330
  text "5V_VBAT" at 265.727,210.694 h0.7 r330
  text "5V_USB_FS" at 269.377,210.144 h0.7 r330
  text "5V_ST_LINK" at 274.295,210.126 h0.7 r330
  text "5V_USB_CHARGER" at 267.157,208.204 h0.7 r330
  text "IDD" at 267.767,200.457 h0.7
  text "www.st.com/stm32app-discovery" at 264.262,198.349 h1
  text "TAG connector" at 293.116,187.706 h0.5 r270
  text "SWD Interface" at 293.878,187.198 h0.7 r270
  text "RESET" at 273.025,185.572 h0.7 r270
  text "STLINK" at 273.964,185.547 h0.7 r270
  text "RX" at 282.397,183.439 h0.7
  text "TX" at 284.836,183.413 h0.7
  text "GND" at 241.3,181.356 h0.7
  text "STLINK" at 284.658,179.553 h0.7
  text "UART" at 284.582,178.587 h0.7
  text "GND" at 274.828,178.054 h0.7
  text "J" at 219.964,158.928 h1.52
  text "C" at 219.761,158.699 h1.2
Mecha Dim:
  lines w0: 305.608,163.89 305.942,162.89 ; 305.609,182.89 305.943,183.89 ; 305.688,162.89 306.196,162.89 ; 305.689,183.89 306.197,183.89 ; 305.942,169.985 305.942,162.89 ; 305.942,176.796 305.943,183.89 ; 306.275,163.89 305.942,162.89 ; 306.276,182.89 305.943,183.89
  lines w0.1: 203.352,216.64 309.321,216.64 ; 206.045,161.64 309.753,161.64 ; 210.16,158.14 216.027,158.14 ; 212.318,155.879 212.318,160.552 ; 212.319,217.955 212.319,229.895 ; 215.819,154.94 215.819,226.416 ; 290.043,183.89 306.654,183.89 ; 290.119,162.89 306.807,162.89 ; 293.141,159.969 293.141,186.334 ; 298.819,156.591 298.819,226.847 ; 299.187,158.14 312.471,158.166 ; 299.872,220.14 312.674,220.14 ; 302.319,217.653 302.319,229.641
  lines w0.254: 212.319,227.886 212.319,228.394 ; 213.843,227.632 212.319,228.14 ; 213.843,228.648 212.319,228.14 ; 215.819,223.186 215.819,223.694 ; 217.343,222.932 215.819,223.44 ; 217.343,223.948 215.819,223.44 ; 252.215,223.44 215.819,223.44 ; 252.215,228.14 212.319,228.14 ; 262.422,223.44 298.819,223.44 ; 262.422,228.14 302.319,228.14 ; 297.295,222.932 298.819,223.44 ; 297.295,223.948 298.819,223.44 ; 298.819,223.186 298.819,223.694 ; 300.795,227.632 302.319,228.14 ; 300.795,228.648 302.319,228.14 ; 302.319,227.886 302.319,228.394 ; 307.939,163.164 308.447,161.64 ; 307.939,215.116 308.447,216.64 ; 308.193,161.64 308.701,161.64 ; 308.193,216.64 308.701,216.64 ; 308.447,184.037 308.447,161.64 ; 308.447,194.244 308.447,216.64 ; 308.955,163.164 308.447,161.64 ; 308.955,215.116 308.447,216.64 ; 311.027,159.664 311.535,158.14 ; 311.027,218.616 311.535,220.14 ; 311.281,158.14 311.789,158.14 ; 311.281,220.14 311.789,220.14 ; 311.535,184.037 311.535,158.14 ; 311.535,194.244 311.535,220.14 ; 312.043,159.664 311.535,158.14 ; 312.043,218.616 311.535,220.14
  text "90 (mm)" at 252.469,227.226 h1.52
  text "83 (mm)" at 252.469,222.526 h1.52
  text "55 (mm)" at 309.362,184.291 h1.52 r90
  text "62 (mm)" at 312.449,184.291 h1.52 r90
  text "MEMS Microphones" at 305.283,170.332 h0.5 r90
  text "21 (mm)" at 306.594,170.239 h1 r90
Mechanical 13:
  circle w0.254: c298.819,216.64 r3.25
  circle w0.254: c215.819,216.64 r3.25
  circle w0.254: c215.819,161.64 r3.25
  circle w0.254: c298.819,161.64 r3.25

## Text inside footprints (layer, text, board x,y; h text height)
CN1: Top Overlay "2" at 263.335,210.762 h0.51; Top Overlay "1" at 266.205,207.666 h0.51
CN2: Top Overlay "1" at 250.361,162.588 h0.51; Top Overlay "2" at 252.615,159.032 h0.51
CN3: Top Overlay "2" at 282.987,210.905 h0.51; Top Overlay "1" at 287.96,207.823 h0.51
CN4: Top Overlay "2" at 275.342,159.362 h0.51; Top Overlay "1" at 272.594,162.562 h0.51
CN5: Mechanical 27 "2" at 299.385,188.055 h0.51 r90; Mechanical 27 "3" at 299.385,189.325 h0.51 r90; Mechanical 27 "4" at 299.385,190.595 h0.51 r90; Mechanical 27 "5" at 299.385,191.865 h0.51 r90; Mechanical 27 "6" at 298.115,191.865 h0.51 r90; Mechanical 27 "7" at 298.115,190.595 h0.51 r90; Mechanical 27 "8" at 298.115,189.325 h0.51 r90; Mechanical 27 "9" at 298.115,188.055 h0.51 r90; Mechanical 27 "10" at 298.115,186.468 h0.51 r90; Mechanical 27 "1" at 299.385,186.785 h0.51 r90
CN6: Mechanical 27 "1" at 281.736,182.338 h0.51 r180; Bottom Overlay "1" at 280.161,182.438 h0.51 r180
CN7: Top Overlay "1" at 286.19,216.918 h0.51 r180; Top Overlay "5" at 283.559,216.918 h0.51 r180; Mechanical 27 "EDGE" at 280.146,220.088 h0.51 r180; Mechanical 27 "1" at 286.14,215.868 h0.51 r180; Mechanical 27 "5" at 283.509,215.868 h0.51 r180; Mechanical 27 "PCB" at 290.359,220.088 h0.51 r180
CN8: Mechanical 27 "4" at 270.641,217.558 h0.51; Mechanical 27 "1" at 278.066,217.508 h0.51; Bottom Overlay "1" at 277.841,219.783 h0.51 r270
CN9: Top Overlay "1" at 245.247,215.858 h0.51 r180; Mechanical 27 "EDGE" at 244.797,220.258 h0.51 r180; Mechanical 27 "PCB" at 255.247,220.258 h0.51 r180; Mechanical 27 "1" at 247.847,216.008 h0.51 r180; Mechanical 27 "5" at 250.547,216.008 h0.51 r180
D2: Mechanical 27 "K" at 276.925,199.282 h0.51
D3: Mechanical 27 "K" at 253.777,209.238 h0.51 r90
D4: Mechanical 27 "K" at 250.381,209.237 h0.51 r90
D5: Mechanical 27 "K" at 252.095,209.237 h0.51 r90
JP5: Mechanical 27 "1" at 265.222,203.242 h0.51 r180; Bottom Overlay "1" at 263.647,203.342 h0.51 r180
JP6: Mechanical 27 "1" at 272.414,180.992 h0.51 r180; Bottom Overlay "1" at 270.839,181.092 h0.51 r180
JP7: Mechanical 27 "1" at 240.834,186.441 h0.51 r90; Bottom Overlay "1" at 240.934,188.016 h0.51 r90
JP8: Mechanical 27 "1" at 276.699,188.444 h0.51 r90; Bottom Overlay "1" at 276.799,190.019 h0.51 r90
LD6: Top Overlay "R" at 294.293,217.111 h0.51 r180; Top Overlay "G" at 292.843,217.111 h0.51 r180; Mechanical 27 "R" at 294.243,216.911 h0.51 r180; Mechanical 27 "G" at 292.743,216.911 h0.51 r180; Mechanical 27 "C1" at 294.393,218.311 h0.51 r180; Mechanical 27 "A1" at 294.493,215.611 h0.51 r180; Mechanical 27 "C2" at 293.043,215.611 h0.51 r180; Mechanical 27 "A2" at 292.993,218.311 h0.51 r180
Logo_ROHS: Top Overlay "2002/95/EC" at 241.387,190.995 h0.8; Top Overlay "COMPLIANT" at 241.887,192.295 h0.8; Top Overlay "RoHS" at 242.287,193.695 h1.6
U13: Mechanical 27 "3" at 269.148,162.792 h0.51; Mechanical 27 "2" at 271.448,162.817 h0.51; Mechanical 27 "1" at 273.598,162.842 h0.51; Mechanical 27 "4" at 271.323,168.592 h0.51; Bottom Overlay "1" at 274.623,162.892 h0.51
U14: Mechanical 27 "3" at 273.974,198.86 h0.51; Mechanical 27 "2" at 276.274,198.885 h0.51; Mechanical 27 "1" at 278.424,198.91 h0.51; Mechanical 27 "4" at 276.149,204.66 h0.51; Bottom Overlay "1" at 279.449,198.96 h0.51
U15: Top Overlay "1" at 279.582,191.239 h0.51; Mechanical 27 "1" at 279.757,191.589 h0.51
U16: Bottom Overlay "1" at 254.912,207.192 h0.51 r270